# KiCad board pedalboard-hw.kicad_pcb
title: Open Pedalboard; date: 2023-12-05; rev: 3.1.1; company: https://github.com/pedalboard; note: Source Code: https://github.com/pedalboard/pedalboard-hw; note: License: CERN Open Hardware Licence Version 2 - Permissive
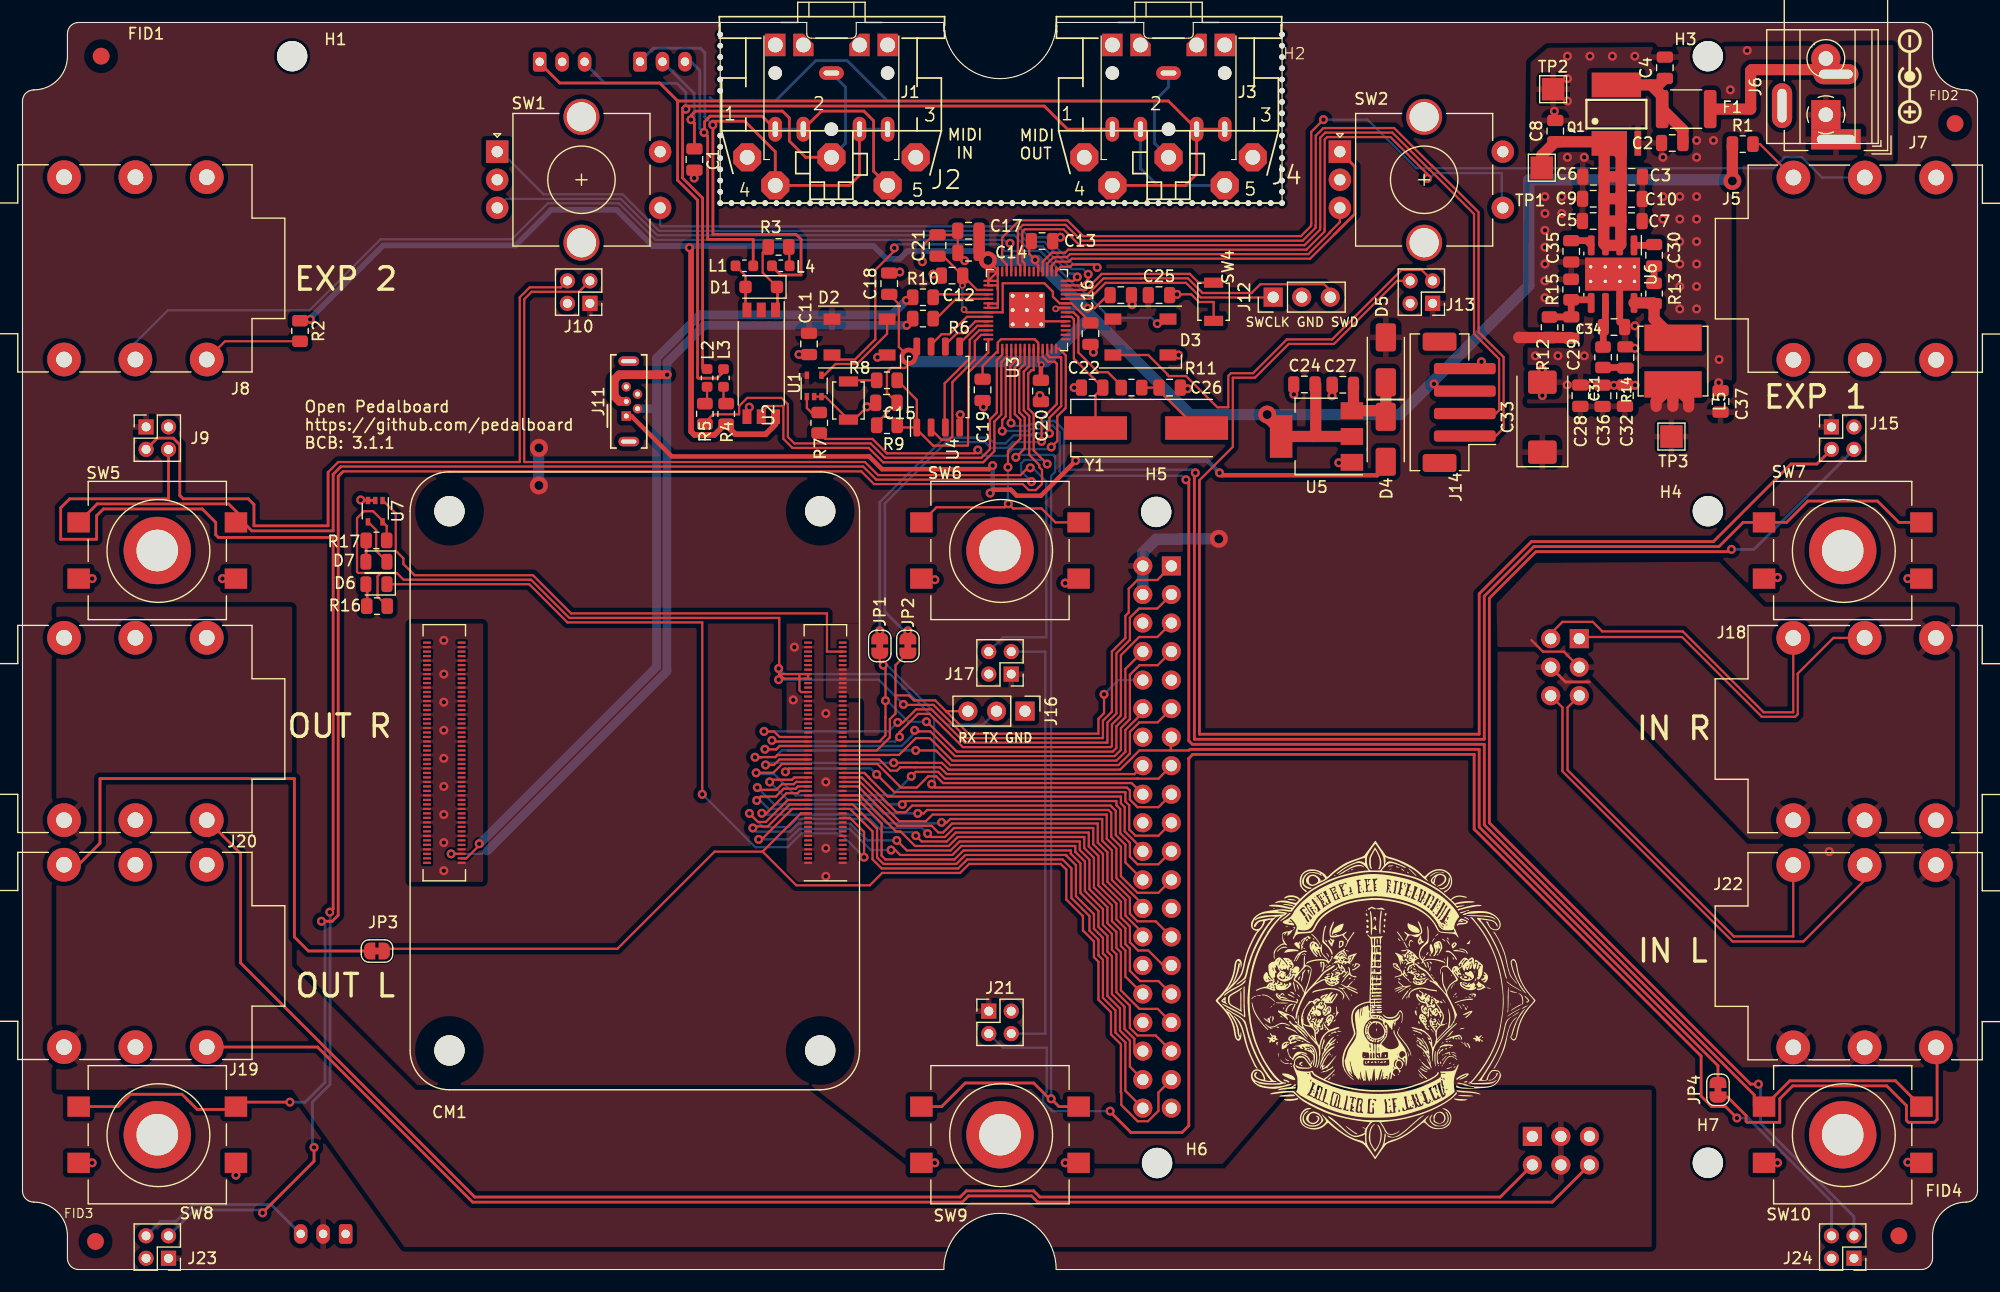
[diagram p0: board, top side]
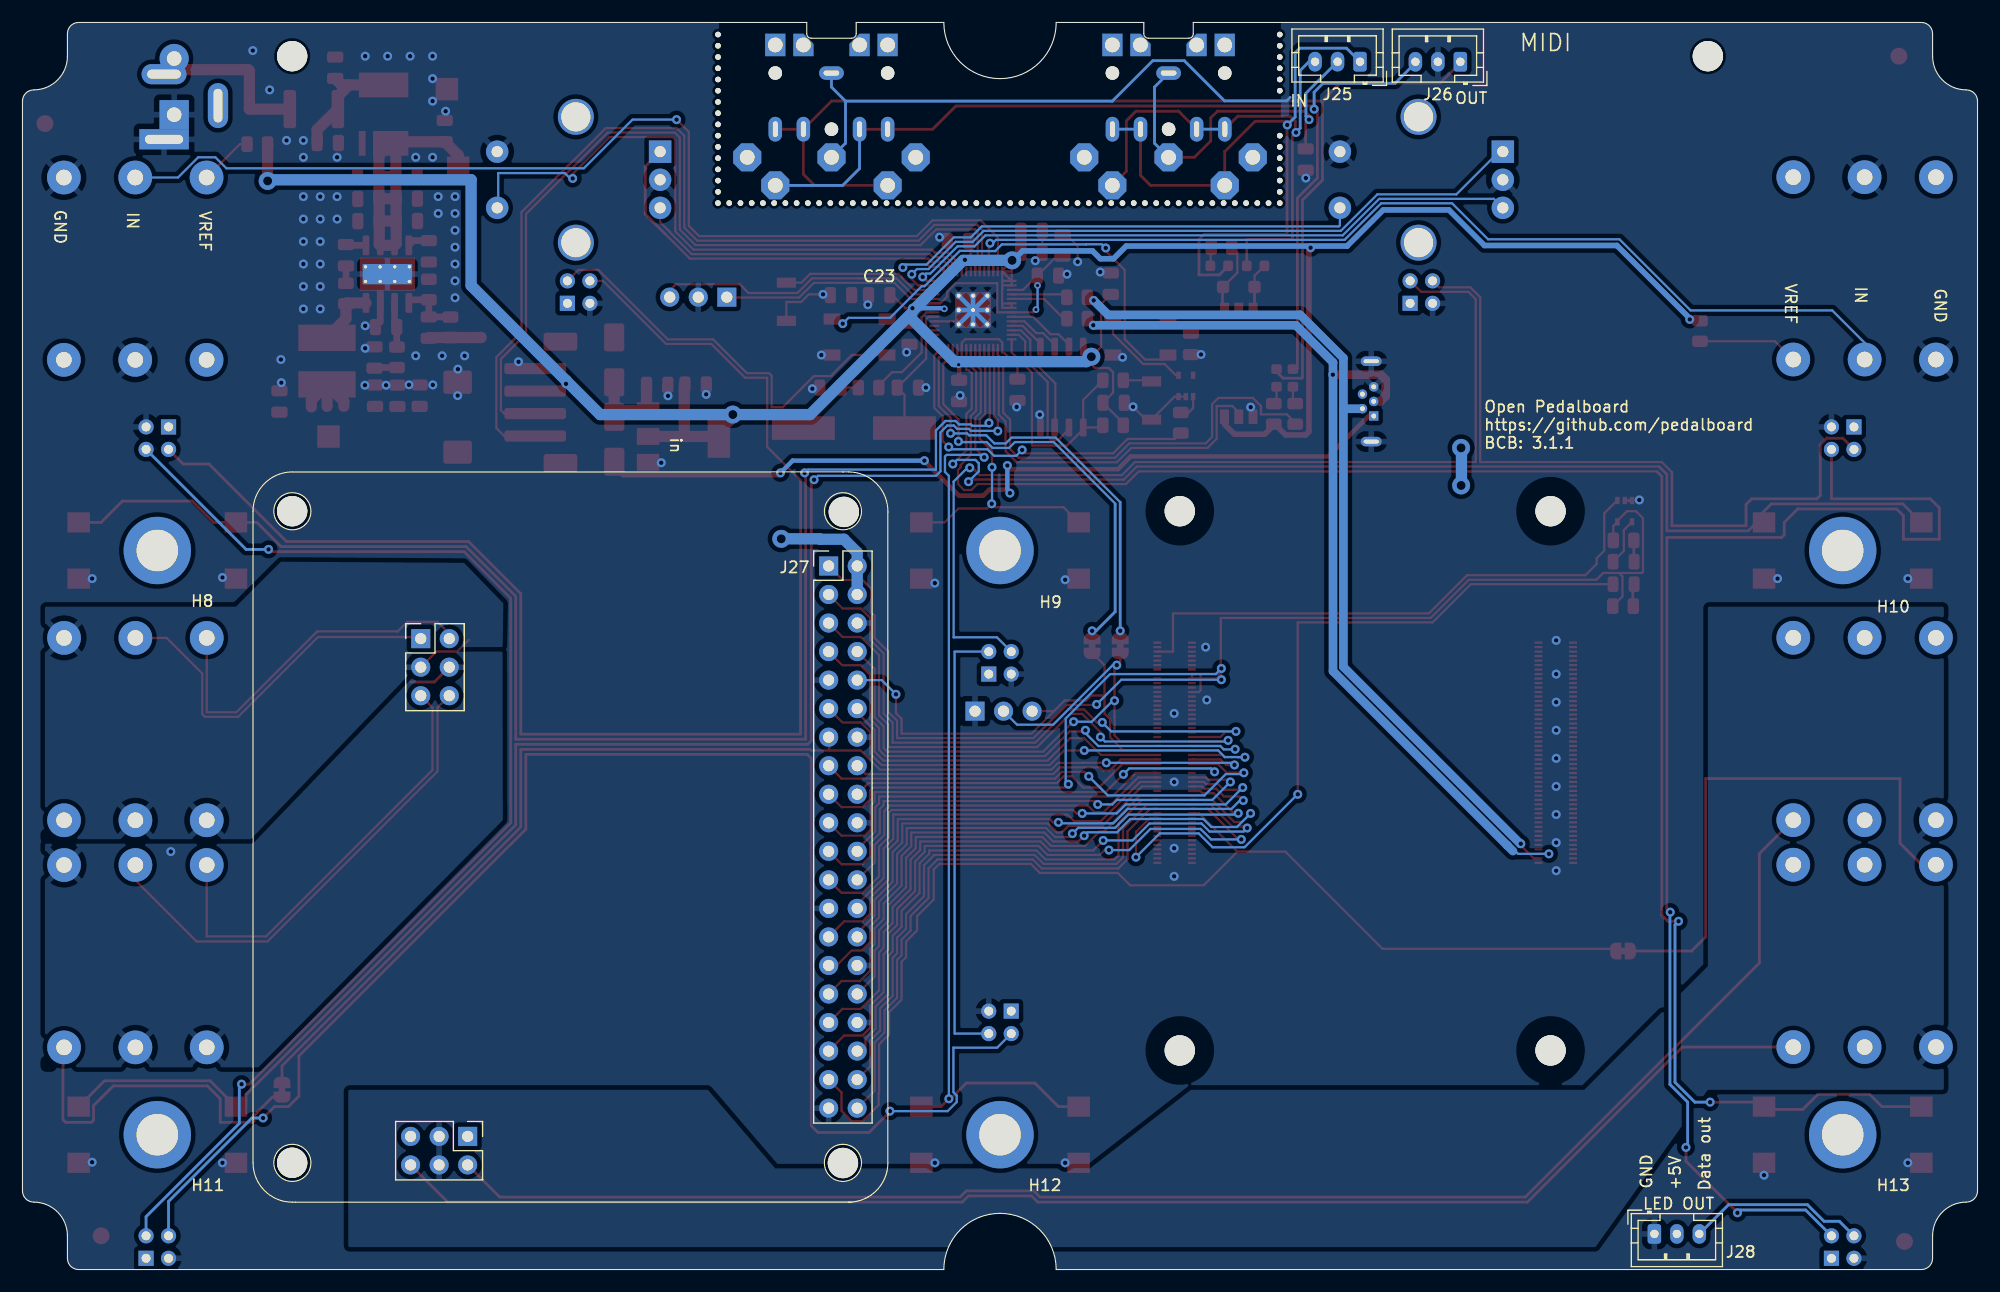
[diagram p1: board, bottom side, seen from below]

Outline 174 x 111 mm; copper layers: Top, Bottom. Coordinates in mm from the lower left corner of the outline.
Outline path: 0,104 arc(0.29,104.71) 1,105 arc(3.12,105.88) 4,108 4,110 arc(4.29,110.71) 5,111 69.8,111 69.8,110 arc(69.92,109.72) 70.2,109.6 73.8,109.6 arc(74.08,109.72) 74.2,110 74.2,111 82,111 arc(87,106) 92,111 99.8,111 99.8,110 arc(99.92,109.72) 100.2,109.6 103.8,109.6 arc(104.08,109.72) 104.2,110 104.2,111 169,111 arc(169.71,110.71) 170,110 170,108 arc(170.88,105.88) 173,105 arc(173.71,104.71) 174,104 174,7 arc(173.71,6.29) 173,6 arc(170.88,5.12) 170,3 170,1 arc(169.71,0.29) 169,0 92,0 arc(87,5) 82,0 5,0 arc(4.29,0.29) 4,1 4,3 arc(3.12,5.12) 1,6 arc(0.29,6.29) 0,7 0,104
Stack: Top 0.035mm / dielectric 1.51mm FR4 er 4.5 / Bottom 0.035mm

## Placement (name value [footprint] x y rotation side)
C1  100n  [C_0805_2012Metric]  59.8 98.8 270 top
C2  10u  [C_0805_2012Metric]  146.83 100.27 180 top
C3  10u  [C_0805_2012Metric]  143.23 97.27 0 top
C4  10u  [C_0805_2012Metric]  146.17 106.97 90 top
C5  10u  [C_0805_2012Metric]  139.79 93.33 180 top
C6  10u  [C_0805_2012Metric]  139.82 97.27 180 top
C7  10u  [C_0805_2012Metric]  143.2 93.32 0 top
C8  10u  [C_0805_2012Metric]  136.42 101.33 90 top
C9  10u  [C_0805_2012Metric]  139.8 95.31 180 top
C10  10u  [C_0805_2012Metric]  143.21 95.29 0 top
C11  100n  [C_0805_2012Metric]  70 82.39 270 top
C12  1u  [C_0805_2012Metric]  82.73 88.47 180 top
C13  100n  [C_0805_2012Metric]  90.74 91.54 0 top
C14  1u  [C_0805_2012Metric]  84.2 90.5 180 top
C15  100n  [C_0805_2012Metric]  76.89 77.15 180 top
C16  100n  [C_0805_2012Metric]  95.05 83.3 270 top
C17  100n  [C_0805_2012Metric]  84.19 92.46 180 top
C18  100n  [C_0805_2012Metric]  77.14 87.75 90 top
C19  100n  [C_0805_2012Metric]  85.45 78.3 270 top
C20  100n  [C_0805_2012Metric]  90.64 78.2 270 top
C21  100n  [C_0805_2012Metric]  81.44 91.15 90 top
C22  27p  [C_0805_2012Metric]  95.2 78.5 180 top
C23  100n  [C_0805_2012Metric]  97.75 86.73 0 top
C24  10u  [C_0805_2012Metric]  114.09 78.78 180 top
C25  100n  [C_0805_2012Metric]  101.15 86.73 0 top
C26  27p  [C_0805_2012Metric]  102.1 78.5 0 top
C27  10u  [C_0805_2012Metric]  117.51 78.75 180 top
C28  10u  [C_0805_2012Metric]  138.65 77.78 90 top
C29  1n  [C_0805_2012Metric]  137.84 83.84 90 top
C30  100n  [C_0805_2012Metric]  145.21 90.28 90 top
C31  1.2n  [C_0805_2012Metric]  142.67 81.18 90 top
C32  10u  [C_0805_2012Metric]  142.62 77.78 90 top
C33  100u  [CP_EIA-7343-31_Kemet-D]  135.27 75.87 90 top
C34  1n  [C_0805_2012Metric]  141.64 83.89 0 top
C35  100n  [C_0805_2012Metric]  137.84 90.63 270 top
C36  10u  [C_0805_2012Metric]  140.63 77.77 90 top
C37  10u  [C_0805_2012Metric]  151.13 77.27 90 top
CM1  CM4  [Raspberry-Pi-4-Compute-Module]  71 67.5 180 top
D1  SM4007  [D_SOD-123F]  65.75 87.46 180 top
D2  SK6812  [LED_SK6812_PLCC4_5.0x5.0mm_P3.2mm]  74.5 83 0 top
D3  SK6812  [LED_SK6812_PLCC4_5.0x5.0mm_P3.2mm]  99.5 83 0 top
D4  SS34HF  [D_SMA]  121.33 73.9 270 top
D5  SS34HF  [D_SMA]  121.34 80.97 90 top
D6  LED Y  [LED_0805_2012Metric]  31.5 61 180 top
D7  LED R  [LED_0805_2012Metric]  31.5 63 180 top
F1  Polyfuse 1.8A  [Fuse_1812_4532Metric]  148.07 103.29 180 top
FID1  Fiducial  [Fiducial_1.5mm_Mask3mm]  7 108 0 top
FID2  Fiducial  [Fiducial_1.5mm_Mask3mm]  172 102 0 top
FID3  Fiducial  [Fiducial_1.5mm_Mask3mm]  6.5 2.5 0 top
FID4  Fiducial  [Fiducial_1.5mm_Mask3mm]  167 3 0 top
H1  MountingHole  [MountingHole_2.7mm_M2.5_DIN965]  24 108 0 top
H2  Midi Bites  [MIDI bites]  87.1 110.92 0 top
H3  MountingHole  [MountingHole_2.7mm_M2.5_DIN965]  150 108 0 top
H4  MountingHole  [MountingHole_2.7mm_M2.5_DIN965]  150 67.5 0 top
H5  MountingHole  [MountingHole_2.7mm_M2.5_DIN965]  100.9 67.43 0 top
H6  MountingHole  [MountingHole_2.7mm_M2.5_DIN965]  100.98 9.48 0 top
H7  MountingHole  [MountingHole_2.7mm_M2.5_DIN965]  150 9.5 0 top
H8  Spacer  [WA-SMSI_M2.5]  162 64 180 bottom
H9  Spacer  [WA-SMSI_M2.5]  87 64 180 bottom
H10  Spacer  [WA-SMSI_M2.5]  12 64 180 bottom
H11  Spacer  [WA-SMSI_M2.5]  162 12 180 bottom
H12  Spacer  [WA-SMSI_M2.5]  87 12 180 bottom
H13  Spacer  [WA-SMSI_M2.5]  12 12 180 bottom
J1  Jack 3.5mm  [Jack_3.5mm_CUI_SJ1-3525N_Horizontal]  71.99 106.5 180 top
J2  DIN5  [CP-2350]  72 109 180 top
J3  Jack 3.5mm  [Jack_3.5mm_CUI_SJ1-3525N_Horizontal]  102 106.5 180 top
J4  DIN5  [CP-2350]  102 109 180 top
J5  Jack 6.35mm  [Jack_6.35mm_Horizontal]  157.62 97.2 0 top
J6  Screw_Terminal_01x02  [TerminalBlock_Phoenix_MKDS-1,5-2_1x02_P5.00mm_Horizontal]  160.5 102.79 90 top
J7  Barrel_Jack_MountingPin  [BarrelJack_Wuerth_6941xx301002]  161.4 100.6 180 top
J8  Jack 6.35mm  [Jack_6.35mm_Horizontal]  16.4 81 180 top
J9  LED-Ring  [Led-Ring]  11 75 0 top
J10  LED-Ring  [Led-Ring]  50.5 86 180 top
J11  USB_B_Micro  [USB_Micro-B_Wuerth_614105150721_Vertical]  53.74 75.97 90 top
J12  Debug  [PinHeader_1x03_P2.54mm_Vertical]  111.31 86.55 90 top
J13  LED-Ring  [Led-Ring]  125.5 86 180 top
J14  JST PH 4  [JST_PH_B4B-PH-SM4-TB_1x04-1MP_P2.00mm_Vertical]  127.87 77.19 90 top
J15  LED-Ring  [Led-Ring]  161 75 0 top
J16  Debug  [PinHeader_1x03_P2.54mm_Vertical]  89.22 49.7 270 top
J17  LED-Ring  [Led-Ring]  88 53 180 top
J18  Jack 6.35mm  [Jack_6.35mm_Horizontal]  157.6 56.22 0 top
J19  Jack 6.35mm  [Jack_6.35mm_Horizontal]  16.4 19.8 180 top
J20  Jack 6.35mm  [Jack_6.35mm_Horizontal]  16.4 40 180 top
J21  LED-Ring  [Led-Ring]  86 23 0 top
J22  Jack 6.35mm  [Jack_6.35mm_Horizontal]  157.6 36 0 top
J23  LED-Ring  [Led-Ring]  13 1 180 top
J24  LED-Ring  [Led-Ring]  163 1 180 top
J25  JST PH 3  [JST_PH_B3B-PH-K_1x03_P2.00mm_Vertical]  54.96 107.51 0 bottom
J26  JST PH 3  [JST_PH_B3B-PH-K_1x03_P2.00mm_Vertical]  46.03 107.5 0 bottom
J27  HiFi Berry  [HiFi Berry DAC ADC+]  102.25 62.62 180 bottom
J28  JST PH 3  [JST_PH_B3B-PH-K_1x03_P2.00mm_Vertical]  28.76 3.17 180 bottom
JP1  SJP  [SolderJumper-2_P1.3mm_Bridged_RoundedPad1.0x1.5mm]  76.3 55.5 90 top
JP2  SJP  [SolderJumper-2_P1.3mm_Bridged_RoundedPad1.0x1.5mm]  78.8 55.5 90 top
JP3  SJP  [SolderJumper-2_P1.3mm_Bridged_RoundedPad1.0x1.5mm]  31.55 28.35 0 top
JP4  SJP  [SolderJumper-2_P1.3mm_Bridged_RoundedPad1.0x1.5mm]  150.9 16 90 top
L1  120_100MHz  [L_0603_1608Metric]  64.25 89.34 180 top
L2  120_100MHz  [L_0603_1608Metric]  60.93 79.36 270 top
L3  120_100MHz  [L_0603_1608Metric]  62.39 79.36 270 top
L4  120_100MHz  [L_0603_1608Metric]  67.49 89.34 0 top
L5  SRN6045TA-3R3Y  [L_Bourns_SRN6045TA]  146.9 80.86 270 top
Q1  FDS4435BZ  [SO08-E3]  141.86 102.84 0 top
R1  1K  [R_0805_2012Metric]  153.1 100.17 0 top
R2  1K  [R_0805_2012Metric]  24.7 83.54 270 top
R3  220R  [R_0805_2012Metric]  67.29 91.02 180 top
R4  33R  [R_0805_2012Metric]  62.63 76.16 90 top
R5  10R  [R_0805_2012Metric]  60.73 76.16 270 top
R6  27R  [R_0805_2012Metric]  80.14 84.64 0 top
R7  220R  [R_0805_2012Metric]  70.91 75.37 90 top
R8  1K  [R_0805_2012Metric]  76.94 79.15 0 top
R9  DNF  [R_0805_2012Metric]  76.94 75.15 0 top
R10  27R  [R_0805_2012Metric]  80.14 86.54 0 top
R11  1K  [R_0805_2012Metric]  98.7 78.5 0 top
R12  12K  [R_0805_2012Metric]  135.91 83.87 90 top
R13  10R  [R_0805_2012Metric]  145.21 86.87 90 top
R14  20K  [R_0805_2012Metric]  140.67 81.2 270 top
R15  2K2  [R_0805_2012Metric]  137.83 87.23 90 top
R16  1K  [R_0805_2012Metric]  31.55 59.05 0 top
R17  2K2  [R_0805_2012Metric]  31.5 64.9 0 top
SW1  Rotary  [RotaryEncoder_Alps_EC11E-Switch_Vertical_H20mm_CircularMountingHoles]  42.25 99.5 0 top
SW2  Rotary  [RotaryEncoder_Alps_EC11E-Switch_Vertical_H20mm_CircularMountingHoles]  117.25 99.5 0 top
SW3  Micro Button  [SW_SPST_B3U-1000P]  73.51 77.35 90 top
SW4  Micro Button  [SW_SPST_B3U-1000P]  106.01 86.14 90 top
SW5  Tactile Button  [SW_PUSH-12mm_Wuerth]  12 64 0 top
SW6  Tactile Button  [SW_PUSH-12mm_Wuerth]  87 64 0 top
SW7  Tactile Button  [SW_PUSH-12mm_Wuerth]  162 64 0 top
SW8  Tactile Button  [SW_PUSH-12mm_Wuerth]  12 12 0 top
SW9  Tactile Button  [SW_PUSH-12mm_Wuerth]  87 12 0 top
SW10  Tactile Button  [SW_PUSH-12mm_Wuerth]  162 12 0 top
TP1  TestPoint  [TestPoint_Pad_2.0x2.0mm]  135.22 98.07 0 top
TP2  TestPoint  [TestPoint_Pad_2.0x2.0mm]  136.23 105.06 0 top
TP3  TestPoint  [TestPoint_Pad_2.0x2.0mm]  146.76 74.14 0 top
U1  74AHCT1G32SE-7  [SOT-353_SC-70-5]  70.46 78.65 90 top
U2  TLP2761  [SO-6L_10x3.84mm_P1.27mm]  65.75 80.66 270 top
U3  RP2040  [RP2040-QFN-56]  89.4 85.4 90 top
U4  W25Q128JVS  [SOIC-8_5.23x5.23mm_P1.27mm]  81.5 78.55 90 top
U5  NCP1117-3.3_SOT223  [SOT-223-3_TabPin2]  115.17 74.15 180 top
U6  AP64501SP-13  [SOIC-8-1EP_3.9x4.9mm_P1.27mm_EP2.95x4.9mm_Mask2.71x3.4mm_ThermalVias]  141.52 88.6 270 top
U7  74AHCT1G32SE-7  [SOT-353_SC-70-5]  31.4 67.5 270 top
Y1  ABLS-12.000MHZ-B4-T  [Crystal_SMD_HC49-US]  100 74.9 0 top

## Library data of the parts
C1 C11 C13 C15-C21 C23 C25 = -: Description: Unpolarized capacitor, small symbol; Digikey: 1276-1180-1-ND; Mouser: 581-08055C104K; Notes: 10% 16V Ceramic Capacitor X7R; Supplier: https://www.digikey.ch/de/products/detail/samsung-electro-mechanics/CL21B104KBCNNNC/3886661
C2-C10 C24 C27 C28 C32 C36 C37 = -: Description: Unpolarized capacitor, small symbol; Notes: 10% or 20% 35V Ceramic Capacitor X6S 0805 (2012 Metric); Supplier: https://www.digikey.ch/de/products/detail/samsung-electro-mechanics/CL21X106KAYNNNE/5961182
C12 C14 = -: Description: Unpolarized capacitor, small symbol; Notes: 25V/10%; Supplier: https://www.digikey.ch/de/products/detail/samsung-electro-mechanics/CL21B105KAFNNNE/3886724
C22 C26 = -: Description: Unpolarized capacitor, small symbol; Notes: 50V/5%; Supplier: https://www.digikey.ch/de/products/detail/samsung-electro-mechanics/CL21C270JCANNNC/3888280
C29 C34 = -: Description: Unpolarized capacitor, small symbol; Notes: 1000 pF, 50 V; Supplier: https://www.digikey.ch/de/products/detail/samsung-electro-mechanics/CL21B102KBANNNC/3886678
C30 C35 = -: Description: Unpolarized capacitor, small symbol; Digikey: 1276-1180-1-ND; Notes: 10% 16V Ceramic Capacitor X7R; Supplier: https://www.digikey.ch/de/products/detail/samsung-electro-mechanics/CL21B104KBCNNNC/3886661
C31 = -: Description: Unpolarized capacitor, small symbol; Notes: 10% 10V Ceramic Capacitor X5R; Supplier: https://www.digikey.ch/de/products/detail/murata-electronics/GRM2165C2A122JA01D/2544699
C33 = -: Description: Polarized capacitor; Notes: Capacitor, SP-Cap, 100u, 6.3V, 15mR ESR; Supplier: https://www.digikey.ch/de/products/detail/panasonic-electronic-components/EEF-CX0J101R/816418
CM1 = -: Notes: DF40C-100DS-0.4V(51); Supplier: https://www.digikey.ch/de/products/detail/hirose-electric-co-ltd/DF40C-100DS-0-4V-51/1969476
D1 = -: Description: 100V 0.15A standard switching diode, DO-35; Supplier: https://www.digikey.ch/de/products/detail/micro-commercial-co/SM4007PL-TP/1793250
D2 D3 = -: Description: RGB LED with integrated controller; Supplier: https://www.digikey.ch/de/products/detail/adafruit-industries-llc/1655/5154679
D4 D5 = -: Description: Schottky diode, small symbol; Notes: 40V/3A; Supplier: https://www.digikey.ch/de/products/detail/comchip-technology/SS34-HF/10279693
D6 D7 = -: Description: Light emitting diode
F1 = -: Description: Resettable fuse, polymeric positive temperature coefficient; Supplier: https://www.digikey.ch/de/products/detail/littelfuse-inc/1812L150-24MR/2023969
FID1-FID4 = -: Description: Fiducial Marker
H1-H7 = -: Description: Mounting Hole without connection
H8-H13 = -: Description: Mounting Hole without connection; Notes: MIDI In; Supplier: https://www.digikey.ch/de/products/detail/w%C3%BCrth-elektronik/9774027151R/5320625
J1 = -: Description: Audio Jack, 3 Poles (Stereo / TRS), Switched TR Poles (Normalling); Notes: MIDI Out; Supplier: https://www.digikey.ch/de/products/detail/cui-devices/SJ1-3525NG/738690
J2 = -: Description: 5-pin DIN connector (5-pin DIN-5 stereo); Notes: MIDI In; Supplier: https://www.digikey.ch/de/products/detail/switchcraft-inc/57PC5F/275385
J3 = -: Description: Audio Jack, 3 Poles (Stereo / TRS), Switched TR Poles (Normalling); Supplier: https://www.digikey.ch/de/products/detail/cui-devices/SJ1-3525NG/738690
J4 = -: Description: 5-pin DIN connector (5-pin DIN-5 stereo); Notes: MIDI Out; Supplier: https://www.digikey.ch/de/products/detail/switchcraft-inc/57PC5F/275385
J5 = -: Description: M Series, 6.35mm (1/4in) stereo jack, switched, with chrome ferrule and straight PCB pins; Notes: EXP1; Supplier: https://www.digikey.ch/de/products/detail/schurter-inc/4833-2320/2644235
J6 = -: Description: Generic screw terminal, single row, 01x02, script generated (kicad-library-utils/schlib/autogen/connector/); Supplier: https://www.digikey.ch/de/products/detail/phoenix-contact/1715022/260626
J7 = -: Description: DC Barrel Jack with an internal switch; Supplier: https://www.digikey.ch/de/products/detail/w%C3%BCrth-elektronik/694106301002/5047522
J8 = -: Description: M Series, 6.35mm (1/4in) stereo jack, switched, with chrome ferrule and straight PCB pins; Notes: EXP2; Supplier: https://www.digikey.ch/de/products/detail/schurter-inc/4833-2320/2644235
J9 J10 J13 J15 J17 J21 J23 J24 = -: Description: Generic connector, double row, 02x02, odd/even pin numbering scheme (row 1 odd numbers, row 2 even numbers), script generated (kicad-library-utils/schlib/autogen/connector/)
J11 = -: Description: Vertical USB B Micro Connector; Supplier: https://www.digikey.ch/de/products/detail/w%C3%BCrth-elektronik/614105150721/5047749
J12 J16 = -: Description: Generic connector, single row, 01x03, script generated
J14 = -: Description: Generic connector, single row, 01x04, script generated; Supplier: https://www.digikey.ch/de/products/detail/jst-sales-america-inc./B4B-PH-SM4-TB/926833
J18 = -: Description: M Series, 6.35mm (1/4in) stereo jack, switched, with chrome ferrule and straight PCB pins; Notes: Audio IN Right; Supplier: https://www.digikey.ch/de/products/detail/schurter-inc/4833-2320/2644235
J19 = -: Description: M Series, 6.35mm (1/4in) stereo jack, switched, with chrome ferrule and straight PCB pins; Notes: Audio OUT Left; Supplier: https://www.digikey.ch/de/products/detail/schurter-inc/4833-2320/2644235
J20 = -: Description: M Series, 6.35mm (1/4in) stereo jack, switched, with chrome ferrule and straight PCB pins; Notes: Audio OUT Right; Supplier: https://www.digikey.ch/de/products/detail/schurter-inc/4833-2320/2644235
J22 = -: Description: M Series, 6.35mm (1/4in) stereo jack, switched, with chrome ferrule and straight PCB pins; Notes: Audio IN Left; Supplier: https://www.digikey.ch/de/products/detail/schurter-inc/4833-2320/2644235
J25 J26 J28 = -: Description: Generic connector, single row, 01x03, script generated; Supplier: https://www.digikey.com/en/products/detail/jst-sales-america-inc/B3B-PH-K-S/926612
J27 = -: Description: Sound Card (Based on HifiBerry DAC/ADC pro)
JP1-JP4 = -: Description: Solder Jumper, 2-pole, closed/bridged
L1-L4 = -: Description: Inductor with ferrite core; Supplier: https://www.digikey.ch/de/products/detail/murata-electronics/BLM18KG121TN1D/1982762
L5 = -: Description: Inductor symbol for simulation only; Notes: 3.3µH Semi-Shielded Wirewound Inductor 7.8A 21mOhm Nonstandard; Supplier: https://www.digikey.ch/de/products/detail/bourns-inc/SRN6045TA-3R3Y/6155103
Q1 = -: Description: P-Channel MOSFET; Supplier: https://www.digikey.ch/de/products/detail/onsemi/FDS4435BZ/1305763
R1 R2 R8 R11 R16 = -: Description: Resistor, small symbol; Supplier: https://www.digikey.ch/de/products/detail/stackpole-electronics-inc/RNCP0805FTD1K00/2240229
R3 R7 = -: Description: Resistor, small symbol; Supplier: https://www.digikey.ch/de/products/detail/stackpole-electronics-inc/RMCF0805FT220R/1760238
R4 = -: Description: Resistor, small symbol; Supplier: https://www.digikey.ch/de/products/detail/stackpole-electronics-inc/RMCF0805FT33R0/1760586
R5 R13 = -: Description: Resistor, small symbol; Notes: Resistor 10R 1% 63mW; Supplier: https://www.digikey.ch/de/products/detail/stackpole-electronics-inc/RNCP0805FTD10R0/2240197
R6 R10 = -: Description: Resistor, small symbol; Supplier: https://www.digikey.ch/de/products/detail/stackpole-electronics-inc/RMCF0805FT27R0/1712920
R9 = -: Description: Resistor, small symbol
R12 = -: Description: Resistor, small symbol; Notes: Resistor 12K 1% 63mW
R14 = -: Description: Resistor, small symbol; Notes: Resistor 20K 1% 63mW; Supplier: https://www.digikey.ch/de/products/detail/stackpole-electronics-inc/RMCF0805FT20K0/1760314
R15 R17 = -: Description: Resistor, small symbol; Notes: Resistor 2.2K 1% 63mW; Supplier: https://www.digikey.ch/de/products/detail/stackpole-electronics-inc/RMCF0805FT2K20/1760345
SW1 = -: Description: Rotary encoder, dual channel, incremental quadrate outputs, with switch; Notes: VOL; Supplier: https://www.digikey.ch/de/products/detail/w%C3%BCrth-elektronik/482016514001/10056402
SW2 = -: Description: Rotary encoder, dual channel, incremental quadrate outputs, with switch; Notes: GAIN; Supplier: https://www.digikey.ch/de/products/detail/w%C3%BCrth-elektronik/482016514001/10056402
SW3 = -: Description: Omron B3FS 6x6mm single pole normally-open tactile switch; Notes: Boot; Supplier: https://www.digikey.ch/en/products/detail/omron-electronics-inc-emc-div/B3U-1000P/1534338
SW4 = -: Description: Omron B3FS 6x6mm single pole normally-open tactile switch; Notes: Reset; Supplier: https://www.digikey.ch/en/products/detail/omron-electronics-inc-emc-div/B3U-1000P/1534338
SW5 = -: Description: Omron B3FS 6x6mm single pole normally-open tactile switch; Notes: D; Supplier: https://www.digikey.ch/de/products/detail/w%C3%BCrth-elektronik/430162043826/9950802
SW6 = -: Description: Omron B3FS 6x6mm single pole normally-open tactile switch; Notes: E; Supplier: https://www.digikey.ch/de/products/detail/w%C3%BCrth-elektronik/430162043826/9950802
SW7 = -: Description: Omron B3FS 6x6mm single pole normally-open tactile switch; Notes: F; Supplier: https://www.digikey.ch/de/products/detail/w%C3%BCrth-elektronik/430162043826/9950802
SW8 = -: Description: Omron B3FS 6x6mm single pole normally-open tactile switch; Notes: A; Supplier: https://www.digikey.ch/de/products/detail/w%C3%BCrth-elektronik/430162043826/9950802
SW9 = -: Description: Omron B3FS 6x6mm single pole normally-open tactile switch; Notes: B; Supplier: https://www.digikey.ch/de/products/detail/w%C3%BCrth-elektronik/430162043826/9950802
SW10 = -: Description: Omron B3FS 6x6mm single pole normally-open tactile switch; Notes: C; Supplier: https://www.digikey.ch/de/products/detail/w%C3%BCrth-elektronik/430162043826/9950802
TP1-TP3 = -: Description: test point
U1 U7 = -: Description: Single OR Gage; Supplier: https://www.digikey.ch/de/products/detail/diodes-incorporated/74AHCT1G32SE-7/2711987
U2 = -: Description: 15-Mbps inverting photocouple,5 kVrms, 2.7 - 5.5 Vdd, push-pull output; Supplier: https://www.digikey.ch/de/products/detail/toshiba-semiconductor-and-storage/TLP2761-TP-E/7809713
U3 = -: Description: A microcontroller by Raspberry Pi; Supplier: https://www.digikey.ch/de/products/detail/raspberry-pi/SC0914-13/14306010
U4 = -: Description: Flash Memory; Supplier: https://www.digikey.ch/de/products/detail/winbond-electronics/W25Q128JVSIQ-TR/5803944
U5 = -: Description: 1A Low drop-out regulator, Fixed Output 3.3V, SOT-223; Supplier: https://www.digikey.ch/de/products/detail/diodes-incorporated/AZ1117IH-3-3TRG1/5699672
U6 = -: Supplier: https://www.digikey.ch/de/products/detail/diodes-incorporated/AP64501SP-13/10419715
Y1 = -: Description: Two pin crystal; Supplier: https://www.digikey.ch/de/products/detail/abracon-llc/ABLS-12-000MHZ-B4-T/2184161
